# Altium PCB Hrafn_backup.PcbDoc (part 5 of 5)
Units mil, origin at the board's own origin, x right, y up, seen from the top; angles counter-clockwise.
Board outline 3346.46 x 3729.53 mil, 6 copper layers (Top Layer, GND, Internal Top, Internal Bottom, PWR, Bottom Layer), stack 55.468 mil thick; 375 components, 229 nets, 1217 pads, 760 vias.
Unrouted connection lines stored in the file: 2.
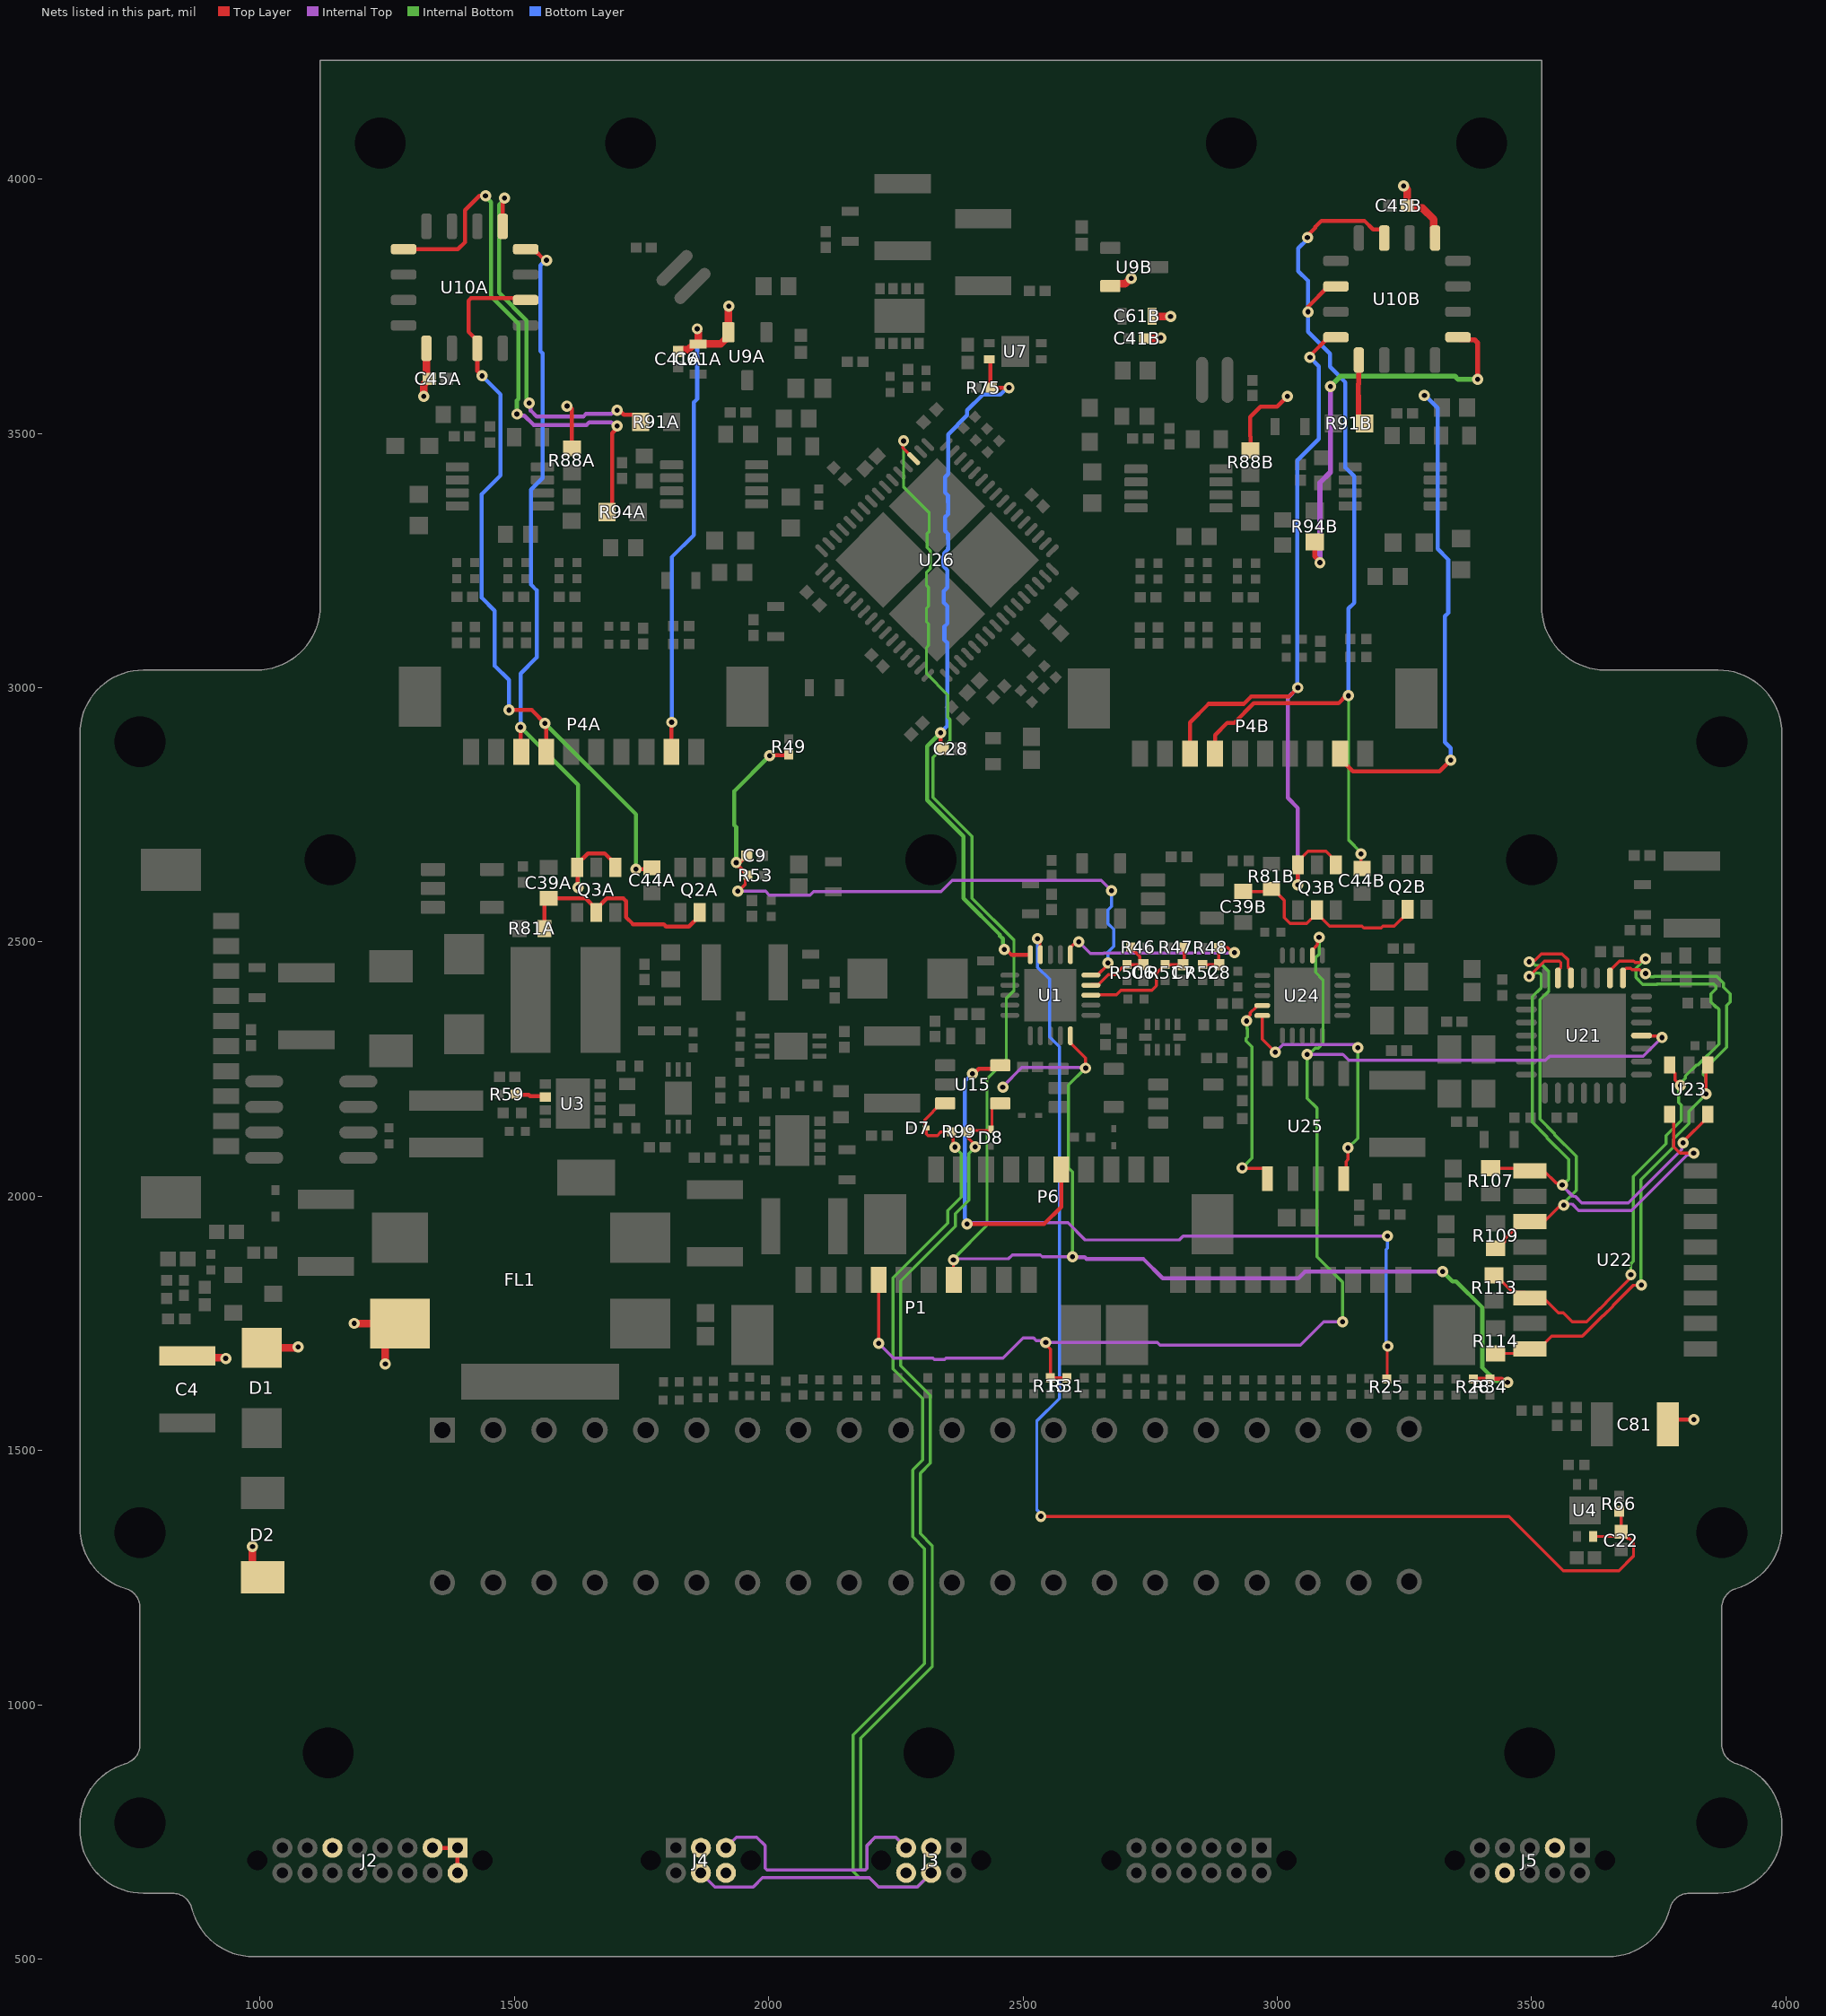
[diagram p9: the nets of this part, all layers, seen from the top]

## Via types
v1: diameter 22, hole 10, Top Layer to Bottom Layer, 698 vias
v2: diameter 23.62, hole 9.84, Top Layer to Bottom Layer, 36 vias
v3: diameter 19.68, hole 7.87, Top Layer to Bottom Layer, 24 vias
v4: diameter 24.02, hole 10, Top Layer to Bottom Layer, 2 vias

## Nets (pads, with @x,y where several pads share a name; then routed paths per layer and width w, separated by ;. In a path a pad name is that pad's centre, name@x,y a point inside that pad or via, vN(x,y) a via of type N, cw(c..) or ccw(c..) an arc to the next point about the centre after c; other vN are vias at no path point) (continued)
OUTCA_N: R91A.1 U10A.9 | length 740.9
  Top Layer w8: U10A.9@1476.97,3907.32 1476.97,3959.25 v1(1480.32,3962.6) ; v1(1701.77,3545.65) 1706.1,3545.65 1715.16,3536.59 1735.06,3536.59 1747.96,3523.69 R91A.1@1747.96,3522.64
  Internal Top w8: v1(1528.87,3559.76) 1531.94,3556.7 1531.94,3545.08 1544.13,3532.89 1635.24,3532.89 1640.5,3538.15 1690.46,3538.15 1697.96,3545.65 v1(1701.77,3545.65)
  Internal Bottom w8: v1(1480.32,3962.6) 1480.32,3960.61 1469.61,3949.91 1469.61,3776.45 1523.87,3722.19 1523.87,3567.91 1528.87,3562.91 v1(1528.87,3559.76)
OUTCA_P: R94A.1 U10A.13 | length 1087.6
  Top Layer w8: U10A.13@1281.97,3862.32 1388.9,3862.32 1402.56,3875.98 1402.56,3938.98 1431.1,3967.52 v1(1442.91,3967.52) ; R94A.1@1682.02,3345.47 1692.21,3355.67 1692.21,3500.76 1701.77,3510.32 v1(1701.77,3514.65)
  Internal Top w8: v1(1504.65,3538.12) 1507.72,3535.06 1519.33,3535.06 1537.5,3516.89 1641.86,3516.89 1647.12,3522.15 1690.46,3522.15 1697.96,3514.65 v1(1701.77,3514.65)
  Internal Bottom w8: v1(1442.91,3967.52) 1442.91,3965.53 1453.61,3954.83 1453.61,3769.82 1507.87,3715.56 1507.87,3567.91 1504.65,3564.69 v1(1504.65,3538.12)
OUTCB_N: R91B.1 U10B.9 | length 130
  Top Layer w10: U10B.9@3160.16,3644.17 3160.16,3597.77 3159.1,3596.71 3159.1,3574.17 3159.42,3573.84 3159.42,3531.59 R91B.1@3171.33,3519.68
OUTCB_P: R94B.1 U10B.13 | length 814.9
  Top Layer w10: R94B.1@3073.26,3286.44 3073.26,3258.39 3083.66,3247.99 v1(3083.66,3246.06) ; U10B.13@3355.16,3689.17 3360.16,3684.17 3387.72,3684.17 3393.58,3678.32 v1(3393.58,3606.18)
  Internal Top w10: v1(3083.66,3246.06) 3083.66,3403.13 3104.33,3423.79 v1(3104.33,3592.52)
  Internal Bottom w10: v1(3104.33,3592.52) 3124.36,3612.55 3349.07,3612.55 3355.44,3606.18 v1(3393.58,3606.18)
PGOOD_5V: R59.1 U3.2 | length 61.5
  Top Layer w8: R59.1@1501.41,2200.72 1502.85,2199.28 1528.08,2199.28 1530.92,2196.44 1559.19,2196.44 U3.2@1560.58,2195.04
PPS: P6.6 R25.2 U15.5 | length 1766.2
  Top Layer w6: R25.2@3215,1640.75 3216,1641.75 3216,1704 v1(3217,1705)
  Top Layer w8: v1(2390,1945.18) 2541.18,1945.18 2575.06,1979.07 P6.6@2575.06,2053 ; v1(2400.59,2241.14) 2403.84,2241.14 2413.1,2250.4 2448.13,2250.4 U15.5@2455.13,2257.4
  Internal Top w6: v1(2390,1945.18) 2392.65,1947.83 2588.35,1947.83 2622.09,1914.09 2807.36,1914.09 2814.6,1921.33 v1(3216.13,1921.33)
  Bottom Layer w6: v1(3216.13,1921.33) 3216.54,1920.93 3216.54,1897.41 3214,1894.87 3214,1708 v1(3217,1705)
  Bottom Layer w8: v1(2390,1945.18) 2387.32,1947.86 2387.32,1955.37 2385.83,1956.87 2385.83,2226.38 v1(2400.59,2241.14)
PPS_N: D8.1 J3.5 J4.5 R99.1 U15.4 | length 2414.8
  Top Layer w6: v1(2405.83,2097) 2405.83,2100.84 2393.61,2113.06 2393.61,2124.14 R99.1@2390.75,2127 2393.02,2129.27 2435.08,2129.27 2437,2131.19 D8.1@2437,2131.54 2438.73,2133.26 U15.4@2438.73,2173.79 ; U15.4@2438.73,2173.79 U15.4@2447.54,2182.6 ; U15.4@2438.73,2173.79 U15.4@2447.54,2182.6 ; U15.4@2438.73,2173.79 U15.4@2447.54,2182.6 ; U15.4@2438.73,2173.79 U15.4@2447.54,2182.6 ; U15.4@2447.54,2182.6 U15.4@2455.13,2182.6 ; U15.4@2447.54,2182.6 U15.4@2455.13,2182.6 ; U15.4@2447.54,2182.6 U15.4@2455.13,2182.6 ; U15.4@2447.54,2182.6 U15.4@2455.13,2182.6
  Internal Top w6: J4.5@1915.69,718.63 1936.48,739.43 1976.37,739.43 1992.58,723.21 1992.58,678.57 1996.1,675.05 2085.35,675.05 2171.94,675.06 2189.6,675.06 2193.12,678.57 2193.12,723.21 2209.33,739.43 2249.22,739.43 J3.5@2270.02,718.63
  Internal Bottom w6: J3.5@2270.02,718.63 2249.22,739.43 2209.33,739.43 2193.12,723.21 2193.12,678.57 2189.6,675.06 2184.63,675.06 2181.12,678.57 2181.12,831 2181.12,866 2181.12,934.12 2321.4,1074.4 2321.4,1313.3 2297.93,1336.77 2297.93,1455.4 2317.46,1474.94 2317.46,1608.57 2259.54,1666.49 2259.54,1833.33 2366.83,1940.61 2366.83,1965.74 2393.33,1992.24 2393.33,2083.8 2405.53,2096 v1@2405.83,2096
PPS_P: D7.1 J3.4 J4.4 R99.2 U15.3 | length 2427.4
  Top Layer w6: U15.3@2346.87,2182.6 2338.99,2182.6 2306.54,2150.14 2306.54,2135.92 2308.46,2134 D7.1@2309.54,2134 2309.54,2123.01 2313.05,2119.5 2331.4,2119.5 2337.9,2126 2358.25,2126 R99.2@2359.25,2127 2361.11,2125.15 2361.11,2114.72 2362.77,2113.06 v1@2362.77,2099.65 ; v1@2362.77,2099.65 v1(2365.83,2096.59) v1@2362.77,2099.65
  Internal Top w6: J4.4@1866.47,669.42 1894.16,641.73 1969.47,641.73 1987.8,660.05 2091.56,660.05 2197.9,660.06 2216.22,641.73 2291.54,641.73 J3.4@2319.23,669.42
  Internal Bottom w6: J3.4@2319.23,669.42 2291.54,641.73 2216.22,641.73 2197.9,660.06 2178.42,660.06 2166.12,672.36 2166.12,866 2166.12,940.33 2306.4,1080.61 2306.4,1307.08 2282.93,1330.56 2282.93,1461.62 2302.46,1481.15 2302.46,1602.36 2244.54,1660.28 2244.54,1839.54 2351.83,1946.83 2351.83,1971.96 2378.33,1998.46 2378.33,2083.8 2365.83,2096.3 v1(2365.83,2096.59)
RESETA: P4A.8 Q3A.4 Q3A.6 U10A.8 | length 1559.8
  Top Layer w8: v1(1511.81,2922.24) 1511.81,2875.52 P4A.8@1513.22,2874.11 ; U10A.8@1521.97,3862.32 1537.51,3862.32 1559.28,3840.55 v1(1562.99,3840.55) ; v1(1625,2607.28) 1624.22,2608.07 1624.22,2645.79 Q3A.6@1623.43,2646.57 1623.43,2653.46 1644.24,2674.27 1677.42,2674.27 1698.23,2653.46 Q3A.4@1698.23,2646.57
  Internal Bottom w8: v1(1511.81,2922.24) 1625,2809.06 v1(1625,2607.28)
  Bottom Layer w8: v1(1511.81,2922.24) 1511.81,3028.05 1543.54,3059.78 1543.54,3191.53 1532.15,3202.92 1532.15,3389.19 1555.12,3412.15 1555.12,3657.73 1551.13,3661.72 1551.13,3830.65 1559.06,3838.58 1561.02,3838.58 v1(1562.99,3840.55)
RESETB: P4B.8 Q3B.4 Q3B.6 U10B.8 | length 1594.7
  Top Layer w6: Q3B.6@3040.35,2651.57 3040.35,2658.46 3060.16,2678.27 3095.35,2678.27 3115.16,2658.46 Q3B.4@3115.16,2651.57
  Top Layer w8: P4B.8@2828.18,2870.17 2828.18,2931.53 2864.88,2968.22 2934.09,2968.22 2948.3,2982.43 3022.79,2982.43 v1(3040.35,3000) ; v1(3040.35,2612.2) Q3B.6@3040.35,2651.57 ; v1(3064.19,3649.69) 3064.19,3652.66 3100.7,3689.17 U10B.8@3115.16,3689.17 ; Q3B.4@3115.1,2651.51 Q3B.4@3115.16,2651.57
  Internal Top w8: v1(3040.35,2612.2) 3040.35,2763.2 3020.34,2783.22 3020.34,2979.98 v1(3040.35,3000)
  Bottom Layer w8: v1(3040.35,3000) 3039.37,3000.98 3039.37,3446.85 3081.69,3489.17 3081.69,3632.19 v1(3064.19,3649.69)
RX: U24.20 U25.4 | length 522.5
  Top Layer w6: U24.20@2970.35,2355.39 2970.35,2308.65 v1(2996,2283) ; U25.4@3130.59,2034.53 3134.97,2038.91 3134.97,2068.13 3139,2072.16 v1(3139,2095)
  Internal Top w6: v1(2996,2283) 3011,2298 3152,2298 v1(3158,2292)
  Internal Bottom w6: v1(3139,2095) 3158,2114 v1(3158,2292)
SCLK0: P1.4 R15.1 R31.2 U21.4 U24.12 | length 2813.2
  Top Layer w6: v1(2216,1711) P1.4@2216.02,1835.71 ; v1(2544.55,1712.77) 2544.55,1708.44 2553.64,1699.35 R15.1@2553.64,1642.8 R31.2@2586.13,1642.8 ; U24.12@3068.78,2473.51 3068.78,2484.33 3078.94,2494.49 3078.94,2505.94 v1(3082,2509) ; U21.4@3716.02,2316.02 3717.14,2314.91 3753.09,2314.91 v1(3756,2312)
  Internal Top w6: v1(2216,1711) 2245.39,1681.61 2323.14,1681.61 2325.44,1679.31 2345.73,1679.31 2348.04,1681.61 2460.61,1681.61 2500,1721 2520.87,1721 2526.04,1715.83 2541.49,1715.83 v1(2544.55,1712.77) 2763.87,1712.77 2769.26,1707.38 3045.27,1707.38 3090.89,1753 v1(3128,1753) ; v1(3058.7,2279) 3128.7,2279 3140.35,2267.34 3527.28,2267.34 3535.31,2275.37 3719.37,2275.37 v1(3756,2312)
  Internal Bottom w6: v1(3082,2509) 3082,2476 3075,2469 3075,2440.33 3089.75,2425.58 3089.75,2300.75 3080.4,2291.4 3074.58,2291.4 3062.17,2279 v1(3058.7,2279) 3058.7,2192.7 3078,2173.4 3078,1881.13 3128,1831.13 v1(3128,1753)
SCLK1: P1.7 R28.2 R34.2 U1.15 U26.19 | length 3867.8
  Top Layer w6: v1(2265.01,3485.24) 2263.78,3484.01 2263.78,3471.4 U26.19@2284.86,3450.31 ; v1@2363,1877 2363,1836.37 P1.7@2363.66,1835.71 ; U1.15@2593,2315.55 2593,2301.77 2623.03,2271.74 v1(2623.03,2251.97)
  Top Layer w8: R28.2@3385,1641 3385.13,1640.87 R34.2@3417.87,1640.87 ; R34.2@3418,1640.75 R34.2@3417.87,1640.87 ; v1(3452.42,1634) 3448.63,1634 3441.76,1640.87 R34.2@3417.87,1640.87
  Internal Top w6: v1@2363,1877 2470.83,1877 2478.67,1884.84 2533.85,1884.84 2537.77,1880.92 v1(2597.28,1880.92) ; v1(2460.03,2214.57) 2460.03,2215.8 2497.53,2253.3 2621.7,2253.3 v1(2623.03,2251.97)
  Internal Top w8: v1(2597.28,1880.92) 2598.11,1880.09 2621.19,1880.09 2624.28,1877 2736.16,1877 2774.36,1838.8 3041.27,1838.8 3054.46,1852 v1(3325,1852)
  Internal Bottom w6: v1(2265.01,3485.24) 2265.01,3394.55 2315.3,3344.26 2315.3,3306.76 2311.49,3302.95 2311.49,3275.69 2317.39,3269.79 2317.39,3234.38 2310.1,3227.09 2310.1,3201.1 2313.91,3197.29 2313.91,3160.19 2310.1,3156.38 2310.1,3129.55 2313.91,3125.74 2313.91,3083.1 2310.1,3079.29 2310.1,3027.62 2352,2985.72 2352,2941.93 2356.6,2937.34 2356.6,2896.6 2323.16,2863.16 2323.16,2784.22 2399.58,2707.8 2399.58,2586.02 2482,2503.6 2482,2404.1 2467,2389.1 2467,2268.48 2429.03,2230.51 2429.03,1943.03 v1@2363,1877 ; v1(2597.28,1880.92) 2597.28,2048.02 2589.57,2055.73 2589.57,2218.5 v1(2623.03,2251.97)
  Internal Bottom w8: v1(3325,1852) 3344.24,1832.76 3351.35,1832.76 3403,1781.11 3403,1663.34 3429.66,1636.68 3449.74,1636.68 v1(3452.42,1634)
  other v1: 2363,1875
SETA: C44A.2 P4A.7 U10A.3 U10A.6 | length 1515.3
  Top Layer w8: v1(1436.02,3613.19) 1426.97,3622.24 U10A.3@1426.97,3667.32 1426.97,3682.32 1409.45,3699.84 1409.45,3761.06 1414.14,3765.75 1518.54,3765.75 U10A.6@1521.97,3762.32 ; v1(1489,2956) 1534.16,2956 v1(1560.04,2930.12) ; P4A.7@1562.43,2874.11 v1@1562.43,2929.13 ; v1(1739,2643) 1767.84,2643 C44A.2@1770.56,2645.72
  Internal Bottom w8: v1(1560.04,2930.12) 1739,2751.16 v1(1739,2643)
  Bottom Layer w8: v1(1436.02,3613.19) 1472.77,3576.44 1472.77,3417.86 1435.69,3380.79 1435.69,3176.78 1461.01,3151.46 1461.01,3043.19 1489,3015.2 v1(1489,2956)
SETB: C44B.2 P4B.7 U10B.3 U10B.6 | length 1910.5
  Top Layer w6: v1@3164.37,2676.18 3164.37,2646.77 C44B.2@3166.49,2644.65
  Top Layer w8: P4B.7@2877.39,2870.17 2877.39,2906.92 2901.57,2931.1 2915.35,2931.1 2953.69,2969.43 3120.64,2969.43 3135.46,2984.25 v1(3139.76,2984.25) ; v1(3059.06,3885.49) 3059.06,3888.95 3074.3,3904.19 3074.3,3905.99 3086.48,3918.17 3170.96,3918.17 3188.16,3900.97 3204.23,3900.97 3210.16,3895.05 U10B.3@3210.16,3884.17 ; v1(3060.04,3739.17) 3060.04,3749.06 3100.16,3789.17 U10B.6@3115.16,3789.17
  Internal Bottom w6: v1(3139.76,2984.25) 3140.08,2983.94 3140.08,2700.47 v1@3164.37,2676.18
  Bottom Layer w8: v1(3059.06,3885.49) 3059.06,3881.99 3041.01,3863.94 3041.01,3819.23 3060.04,3800.2 v1(3060.04,3739.17) 3060.04,3699.8 3103.35,3656.5 3103.35,3630.91 3133.86,3600.39 3133.86,3432.82 3151,3415.68 3151,3166.78 3139.76,3155.54 v1(3139.76,2984.25)
  other v1: 3164.37,2673.18
SGND: C4.2 C81.2 D1.2 D2.2 FL1.3 J2.1 J2.2 J2.3 J2.11 J3.3 J3.6 J4.3 J4.6 J5.3 J5.8 | length 553.2
  Top Layer w8: J2.3@1338.91,718.63 J2.1@1388.13,718.63 J2.2@1388.13,669.42 ; C81.2@3767.72,1551.18 3777.56,1561.02 v1(3818.9,1561.02)
  Top Layer w15: C4.2@857,1685.94 860.46,1682.48 930.9,1682.48 v1(932.24,1681.14) ; v1(985,1311) 985,1270.51 D2.2@1004.92,1250.59 ; D1.2@1003,1701.74 1072.8,1701.74 v1(1074.8,1703.74) ; v1(1185.04,1750) 1185.65,1749.39 FL1.3@1274.78,1749.39 1246.06,1720.67 v1(1246.06,1670.28)
TEMP_1: C22.2 R66.2 U1.4 U4.2 | length 2591.2
  Top Layer w6: v1(2528.56,2506.7) 2528.56,2502.37 2533.21,2497.71 2533.21,2475.73 U1.4@2533.94,2475 ; v1(2534.96,1370.55) 3455.24,1370.55 3562.01,1263.78 3671.4,1263.78 3700.27,1292.65 3700.27,1318.71 3691.91,1327.06 3688.47,1327.06 C22.2@3676,1339.53 ; U4.2@3620.68,1331.01 3667.47,1331.01 C22.2@3676,1339.53 ; R66.2@3672,1380.24 3676,1376.24 C22.2@3676,1340.32 C22.2@3676,1339.53
  Bottom Layer w6: v1(2528.56,2506.7) 2528.56,2450.32 2551.98,2426.9 2551.98,2313.32 2571.49,2293.8 2571.49,1602.27 2527.02,1557.79 2527.02,1383.36 2534.96,1375.42 v1(2534.96,1370.55)
TEMP_2: C28.2 R75.2 U1.5 U7.2 | length 1469.7
  Top Layer w8: v1(2337.6,2911.42) 2337.6,2883.27 C28.2@2340.94,2879.92 ; U7.2@2433.68,3645.7 2435.59,3643.8 2435.59,3592 R75.2@2437.5,3590.09 v1(2472.34,3590.09) v1@2476.28,3594.03 ; v1(2463,2485) 2466.79,2485 2476.79,2475 U1.5@2514.26,2475
  Internal Bottom w8: v1(2337.6,2911.42) 2311.16,2884.98 2311.16,2779.25 2382.74,2707.66 2382.74,2585.89 2454.63,2514 2454.63,2512 2460.32,2506.31 2460.32,2487.68 v1(2463,2485)
  Bottom Layer w8: v1(2337.6,2911.42) 2351.1,2924.92 2351.1,3088.32 2345.29,3094.13 2345.29,3120.14 2351.38,3126.23 2351.38,3159.92 2344.35,3166.95 2344.35,3190.3 2351.1,3197.05 2351.1,3231.04 2344.46,3237.68 2344.46,3238.53 2343.2,3239.78 2343.2,3257.18 2344.46,3258.43 2344.46,3264.17 2352.36,3272.07 2352.36,3275.15 2352.49,3275.28 2352.49,3292.67 2352.36,3292.8 2352.36,3302.5 2346.68,3308.18 2346.68,3335.38 2352.36,3341.06 2352.36,3347.53 2352.49,3347.66 2352.49,3365.05 2352.36,3365.18 2352.36,3378.11 2346.68,3383.79 2346.68,3414.23 2352.49,3420.04 2352.49,3497.99 2390.09,3535.59 2390.09,3545.78 2420.44,3576.12 2455.2,3576.12 2469.18,3590.09 v1(2472.34,3590.09)
TPIN_N: R114.1 U21.8 U22.8 U23.4 | length 1302.5
  Top Layer w6: R114.1@3429.04,1690.94 3487.65,1690.94 U22.8@3496.57,1699.87 3514.09,1699.87 3539.23,1725 3599.73,1725 3639.73,1765 3640.67,1765 3660,1784.33 3660,1785.27 3699.72,1824.99 3715,1824.99 v1(3715.51,1825.49) ; U21.8@3679.61,2429.21 3679.61,2442.41 3685.38,2448.17 3694.51,2448.17 3697.19,2445.5 3712.49,2445.5 3719.99,2438 v1(3724,2438) ; v1(3843,2201) 3843,2254.42 U23.4@3846.46,2257.87
  Internal Bottom w6: v1(3715.51,1825.49) 3715,1826 3715,2032.92 3779,2096.92 3779,2112.87 3809.16,2143.03 3809.16,2166.65 3843,2200.49 3843,2233.64 3837.74,2238.9 3837.74,2247.53 3883,2292.79 3883,2374.78 3890.35,2382.13 3890.35,2397.87 3877.11,2411.1 3877.11,2418.82 3863.93,2432 3740.71,2432 3740.49,2431.77 3734.56,2431.77 3728.33,2438 v1(3724,2438)
TPIN_P: R113.2 U21.9 U22.6 U23.6 | length 1359.2
  Top Layer w6: R113.2@3426.09,1844.49 3429.04,1844.49 3461.7,1811.83 3484.61,1811.83 U22.6@3496.57,1799.87 3505.57,1799.87 3523.09,1799.87 3552.43,1770.53 3562.34,1770.53 3579.71,1753.16 3608.1,1753.16 3633.93,1779 3634.87,1779 3646,1790.13 3646,1791.07 3689.83,1834.89 3689.83,1836.5 3695,1841.67 v1(3695,1846) ; U21.9@3654.02,2429.21 3654.02,2443.98 3672.21,2462.17 3700.31,2462.17 3702.98,2459.5 3712.49,2459.5 3719.99,2467 v1(3724,2467) ; U23.6@3771.65,2257.87 3771.65,2252.17 3781.79,2242.03 3781.79,2228.51 3792.23,2218.08 v1(3792.23,2217.6)
  Internal Bottom w6: v1(3695,1846) 3695,1867 3700,1872 3700,2039.13 3764,2103.13 3764,2119.08 3794.16,2149.24 3794.16,2178.97 3788.82,2184.31 3788.82,2209.86 3792,2213.04 3792,2221.7 3802.5,2232.2 3802.5,2236.14 3824.49,2258.14 3827.14,2258.14 3868,2299 3868,2367.49 3864.49,2371 3863.48,2371 3852.35,2382.13 3852.35,2397.87 3862.11,2407.64 3862.11,2412.61 3857.72,2417 3746.93,2417 3746.7,2416.77 3718.36,2416.77 3705,2430.13 3705,2448 v1(3724,2467)
TPOUT_N: R109.1 U21.12 U22.3 U23.1 | length 1270.5
  Top Layer w6: R109.1@3429.04,1897.64 3431.04,1897.64 3433.99,1897.64 3446.74,1910.39 3446.74,1915.55 3481.05,1949.87 U22.3@3496.57,1949.87 3506.57,1949.87 3524.09,1949.87 3553.53,1979.3 3559.94,1979.3 v1(3563,1982.37) ; v1(3495,2461) 3498.06,2464.06 3506.68,2464.06 3519.02,2476.4 3559.73,2476.4 3571.45,2464.68 3571.45,2450.4 3577.24,2444.6 U21.12@3577.24,2429.21 ; U23.1@3771.65,2161.42 3779,2154.07 3779,2097.13 3791.64,2084.49 v1(3818.51,2084.49)
  Internal Top w6: v1(3563,1982.37) 3565.27,1984.64 3579.49,1984.64 3592.22,1971.91 3696.02,1971.91 3805.55,2081.43 3815.44,2081.43 v1(3818.51,2084.49)
  Internal Bottom w6: v1(3495,2461) 3499.33,2461 3506.33,2454 3521.21,2454 3533.51,2441.7 3533.51,2403.49 3516.61,2386.59 3516.61,2151.48 3545,2123.08 3545,2121.13 3587.65,2078.48 3587.65,2011.35 3563,1986.7 v1(3563,1982.37)
TPOUT_P: R107.2 U21.13 U22.1 U23.3 | length 1131.6
  Top Layer w6: R107.2@3419.29,2055.12 3491.32,2055.12 U22.1@3496.57,2049.86 3506.57,2049.87 3524.09,2049.87 3548.53,2025.43 3557.09,2025.43 v1(3560.15,2022.37) ; v1(3495,2432) 3495,2432.58 3524.82,2462.4 3553.93,2462.4 3557.45,2458.88 3557.45,2450.4 3551.65,2444.6 U21.13@3551.65,2429.21 ; v1(3798,2105) 3798,2107.25 3846.46,2155.71 U23.3@3846.46,2161.42
  Internal Top w6: v1(3560.15,2022.37) 3560.15,2020.68 3581.19,1999.64 3585.7,1999.64 3598.43,1986.91 3689.81,1986.91 3794.94,2092.04 3794.94,2101.94 v1(3798,2105)
  Internal Bottom w6: v1(3495,2432) 3499.33,2432 3506.33,2439 3515,2439 3518.51,2435.49 3518.51,2409.71 3501.61,2392.8 3501.61,2145.26 3530,2116.87 3530,2114.92 3572.65,2072.27 3572.65,2033.18 3561.84,2022.37 v1(3560.15,2022.37)
TX: U24.19 U25.1 | length 418.1
  Top Layer w6: v1(2931,2056) 2931.91,2055.09 2972.77,2055.09 2980.59,2047.27 U25.1@2980.59,2034.53 ; v1(2939.29,2344.62) 2939.29,2348.83 2946.61,2356.14 2946.61,2360.75 2957.61,2371.75 2957.61,2372.12 2960.57,2375.08 U24.19@2970.35,2375.08
  Internal Bottom w6: v1(2931,2056) 2949.99,2074.99 2949.99,2293.86 2938.34,2305.5 2938.34,2310.47 2941,2313.13 2941,2328.87 2940.41,2329.46 2940.41,2343.51 v1(2939.29,2344.62)
VBA: C41A.2 C45A.2 C61A.2 P4A.2 R88A.2 U9A.2 U10A.1 | length 1245.4
  Top Layer w8: v1(1603.35,3553.89) 1607.68,3553.89 1612.36,3549.21 1613.02,3549.21 R88A.2@1613.02,3470.57 ; P4A.2@1808.5,2874.11 1808.5,2931.53 v1(1809.06,2932.09)
  Top Layer w15: v1(1321.85,3572.83) 1321.85,3596.65 1326.99,3601.79 1326.99,3602.58 C45A.2@1331.69,3607.28 ; U10A.1@1326.97,3667.32 1326.97,3612.01 C45A.2@1331.69,3607.28 ; C45A.2@1332.48,3607.28 C45A.2@1331.69,3607.28 ; C41A.2@1821.69,3661.45 1821.69,3662.23 1824.42,3664.97 1842.14,3664.97 1853.18,3676.01 C61A.2@1861.06,3676.01 ; v1(1859.25,3705.71) 1861.06,3703.9 C61A.2@1861.06,3676.01 ; v1(1921.26,3750) 1920.51,3749.25 U9A.2@1920.51,3699.07 1920.51,3691.19 1905.33,3676.01 C61A.2@1861.06,3676.01
  Bottom Layer w8: v1(1809.06,2932.09) 1809.06,3256.72 1853,3300.66 1853,3561.28 1859.25,3567.54 v1(1859.25,3705.71)
VBB: C41B.2 C45B.2 C61B.2 P4B.2 R88B.2 U9B.2 U10B.1 | length 1405.8
  Top Layer w8: R88B.2@2947.28,3466.63 2947.28,3493.5 2946.52,3494.25 2946.52,3532.15 2966.86,3552.49 2999.34,3552.49 v1(3019.69,3572.83) ; P4B.2@3123.46,2870.17 3123.46,2860.33 3148.21,2835.58 3318.85,2835.58 v1(3340.55,2857.28)
  Top Layer w15: U9B.2@2671.53,3789.86 2675.84,3794.17 2700.28,3794.17 2711.11,3805 v1(2713,3805) ; C41B.2@2739.37,3687.01 2769.69,3687.01 v1(2770.67,3687.99) ; C61B.2@2753.64,3730.41 2753.84,3730.21 2789.79,3730.21 v1(2790,3730) ; v1(3248.23,3986.42) 3255.12,3979.53 C45B.2@3255.12,3947.83 3259.82,3943.13 3285.22,3943.13 3307.66,3920.69 3307.66,3886.67 U10B.1@3310.16,3884.17
  Bottom Layer w8: v1(3289.1,3574.87) 3290.29,3574.87 3314.96,3550.2 3314.96,3273.05 3335.96,3252.05 3335.96,3147.16 3329.39,3140.59 3329.39,2892.51 3340.55,2881.35 v1(3340.55,2857.28)
VMON_A3V3: C7.2 R47.1 R51.2 U1.18 | length 256.5
  Top Layer w6: U1.18@2633.35,2395.28 2634.08,2396 2683.27,2396 2692.61,2405.34 2753.47,2405.34 2762.32,2414.19 2762.32,2438.61 R51.2@2779.18,2455.46 2814.22,2455.46 C7.2@2814.61,2455.07 2816.75,2457.2 R47.1@2816.75,2490